# Altium PCB PCB1_backup.PcbDoc
Units mil, origin at the board's own origin, x right, y up, seen from the top; angles counter-clockwise.
Board outline 6000 x 4000 mil, 4 copper layers (Top Layer, Layer 1, Layer 2, Bottom Layer), stack 62.449 mil thick; 133 components, 91 nets, 461 pads, 39 vias.
Unrouted connection lines stored in the file: 239.
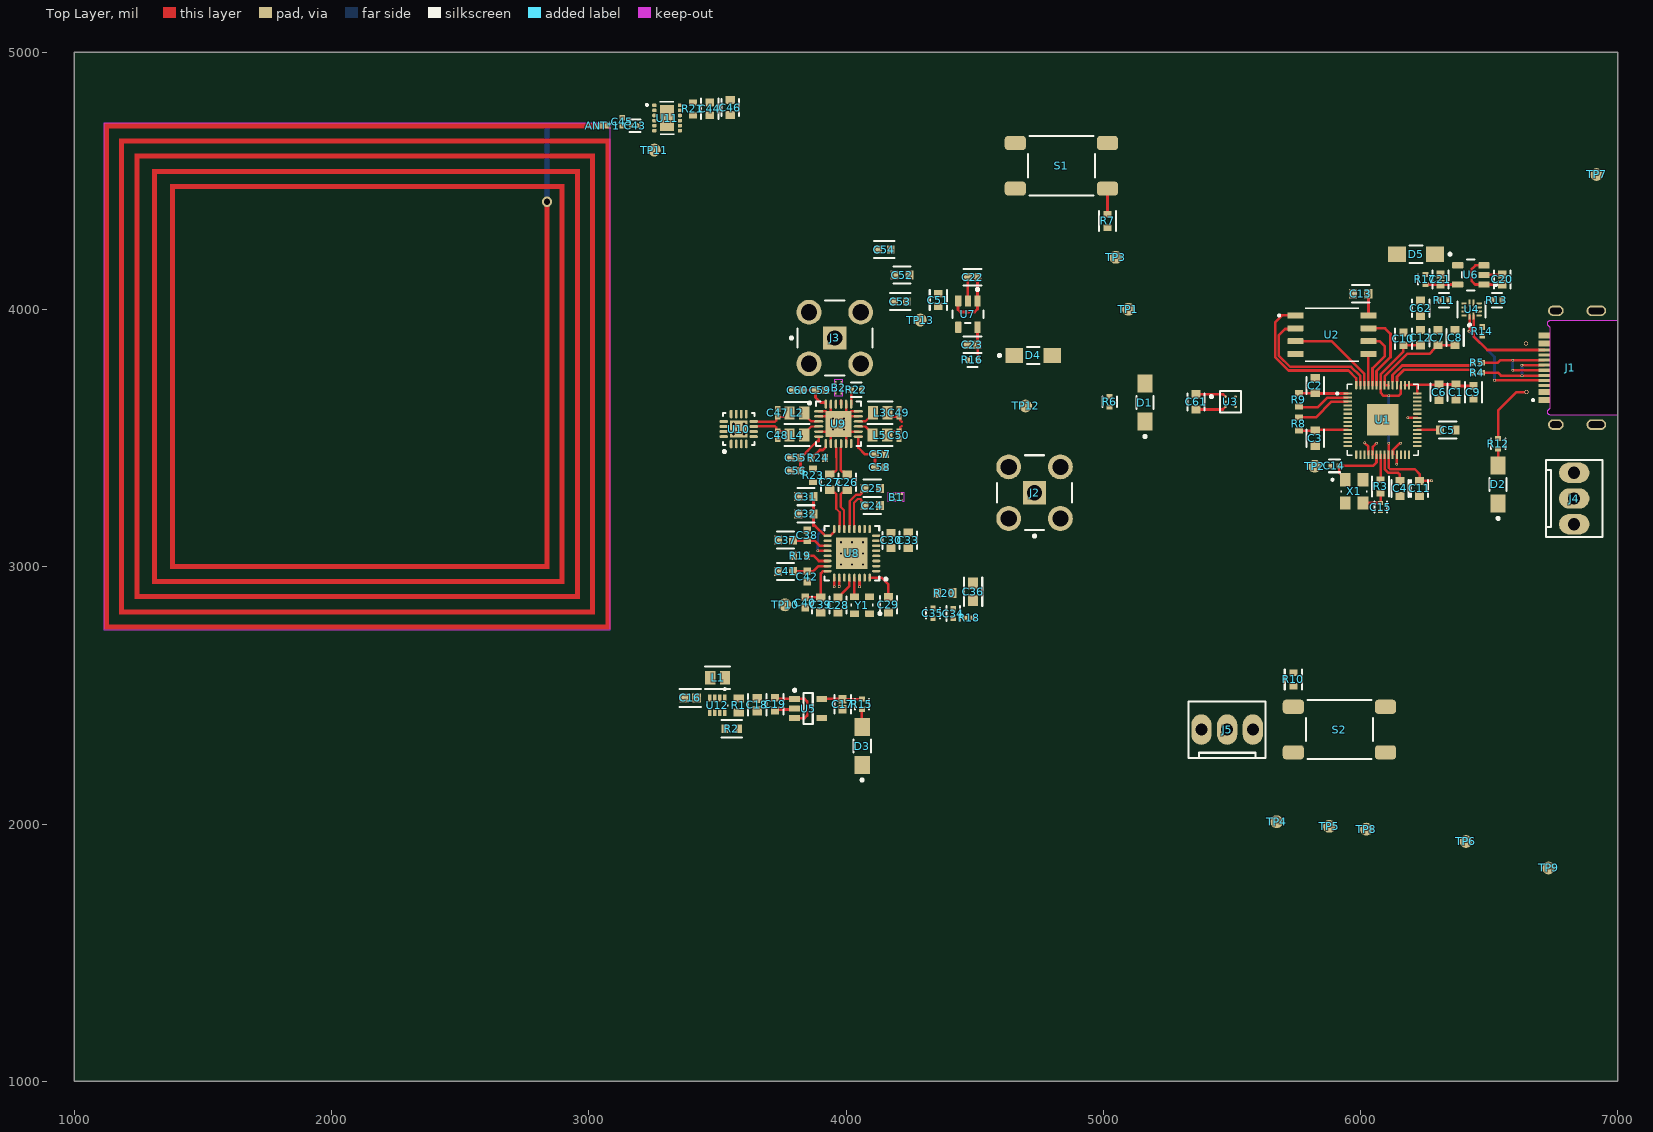
[diagram p0: Top Layer view]
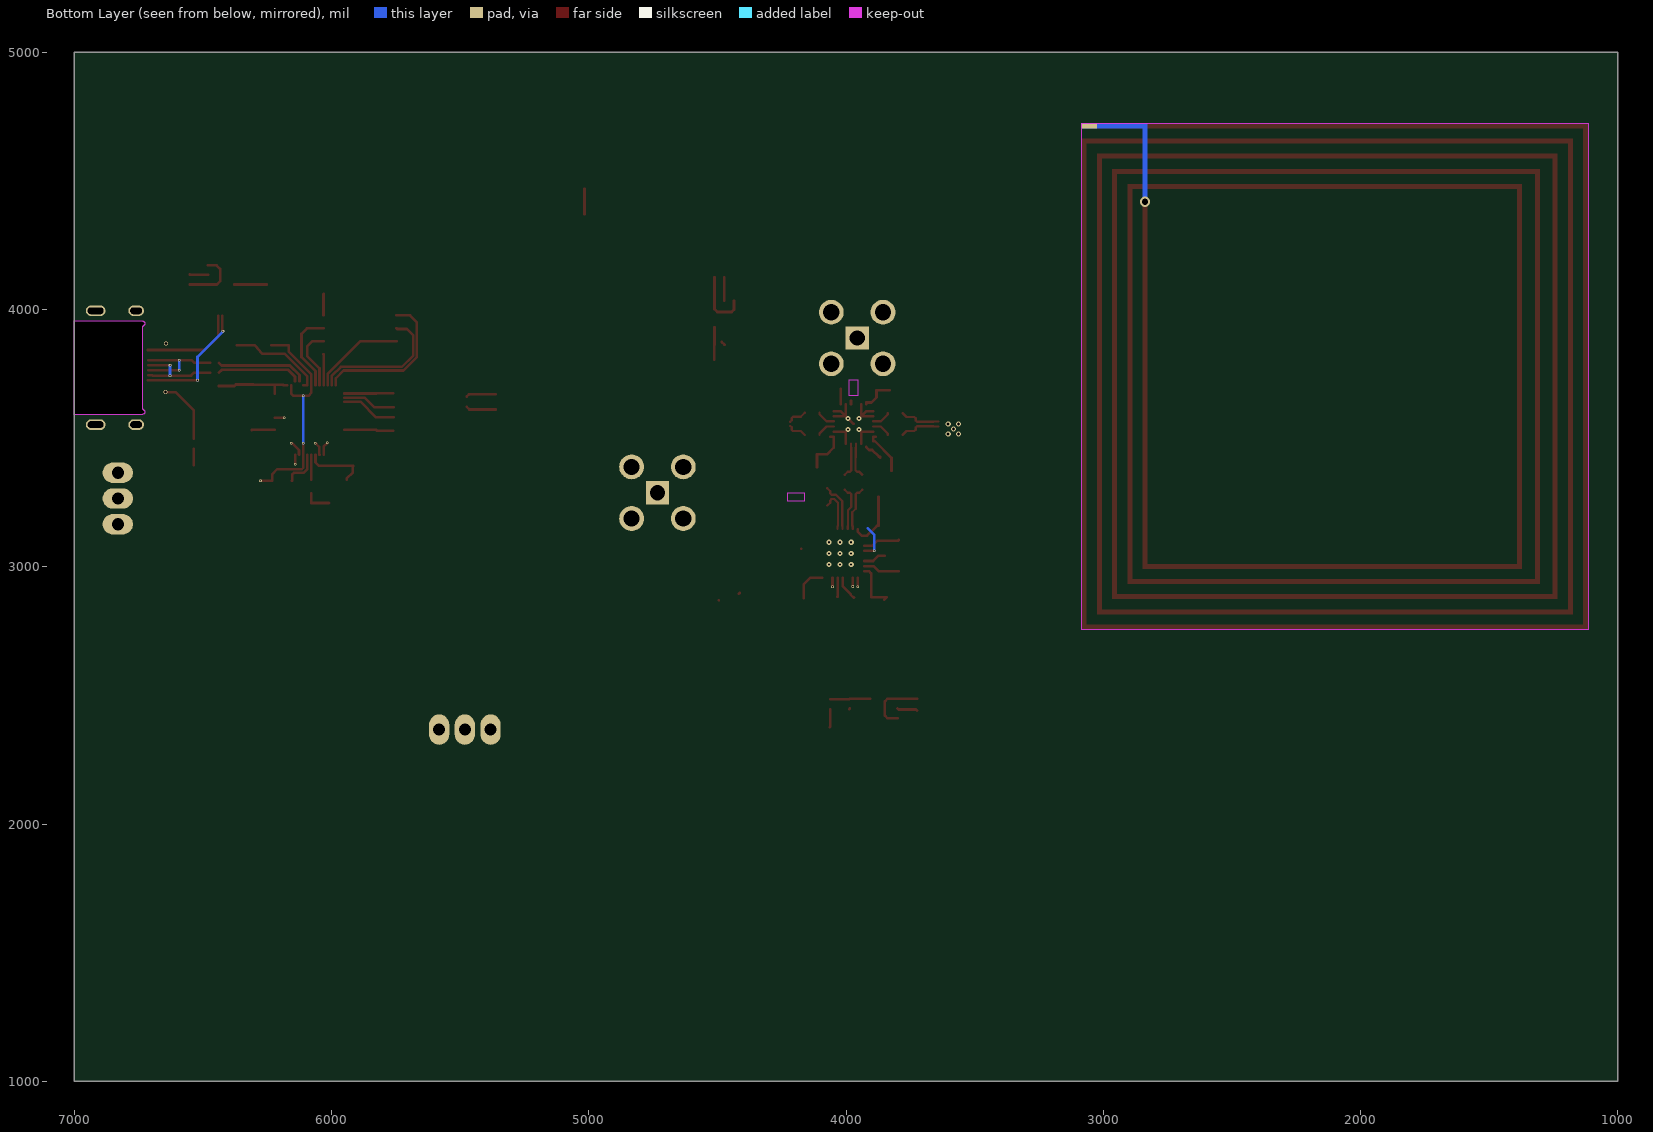
[diagram p1: Bottom Layer view, seen from below]
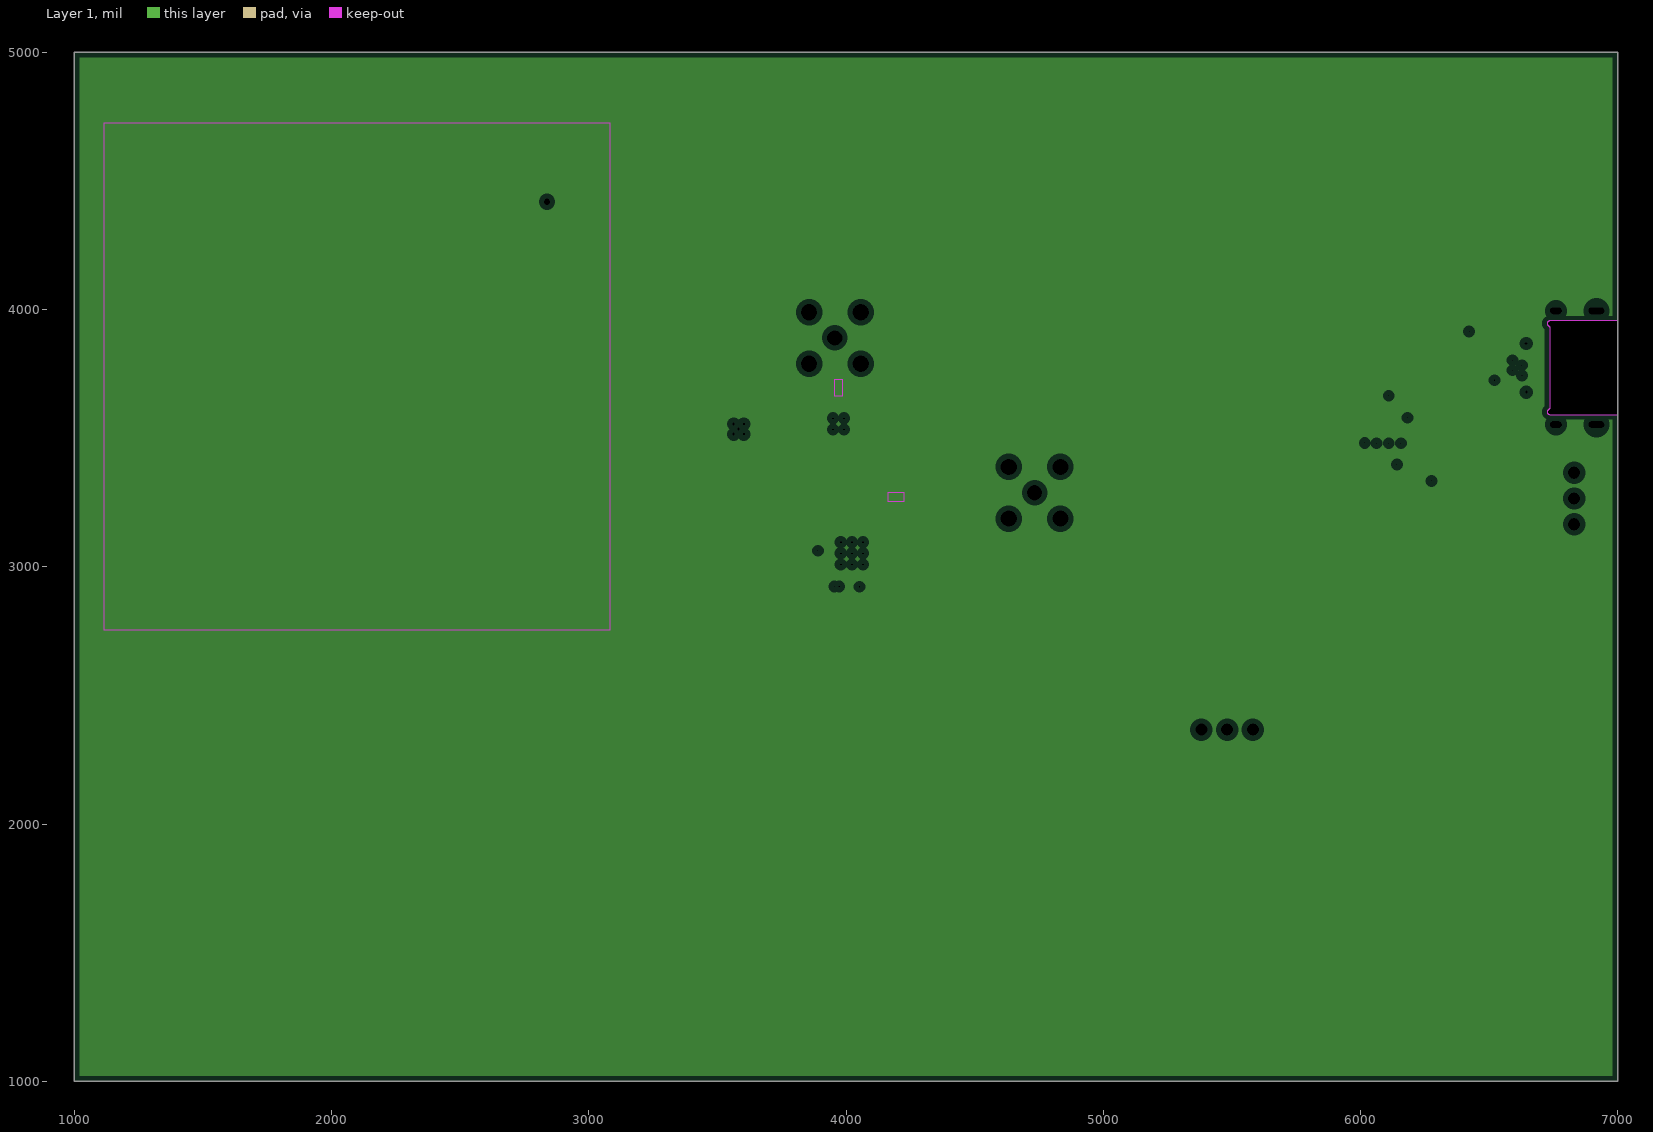
[diagram p2: Layer 1, clearances drawn from the general rule]
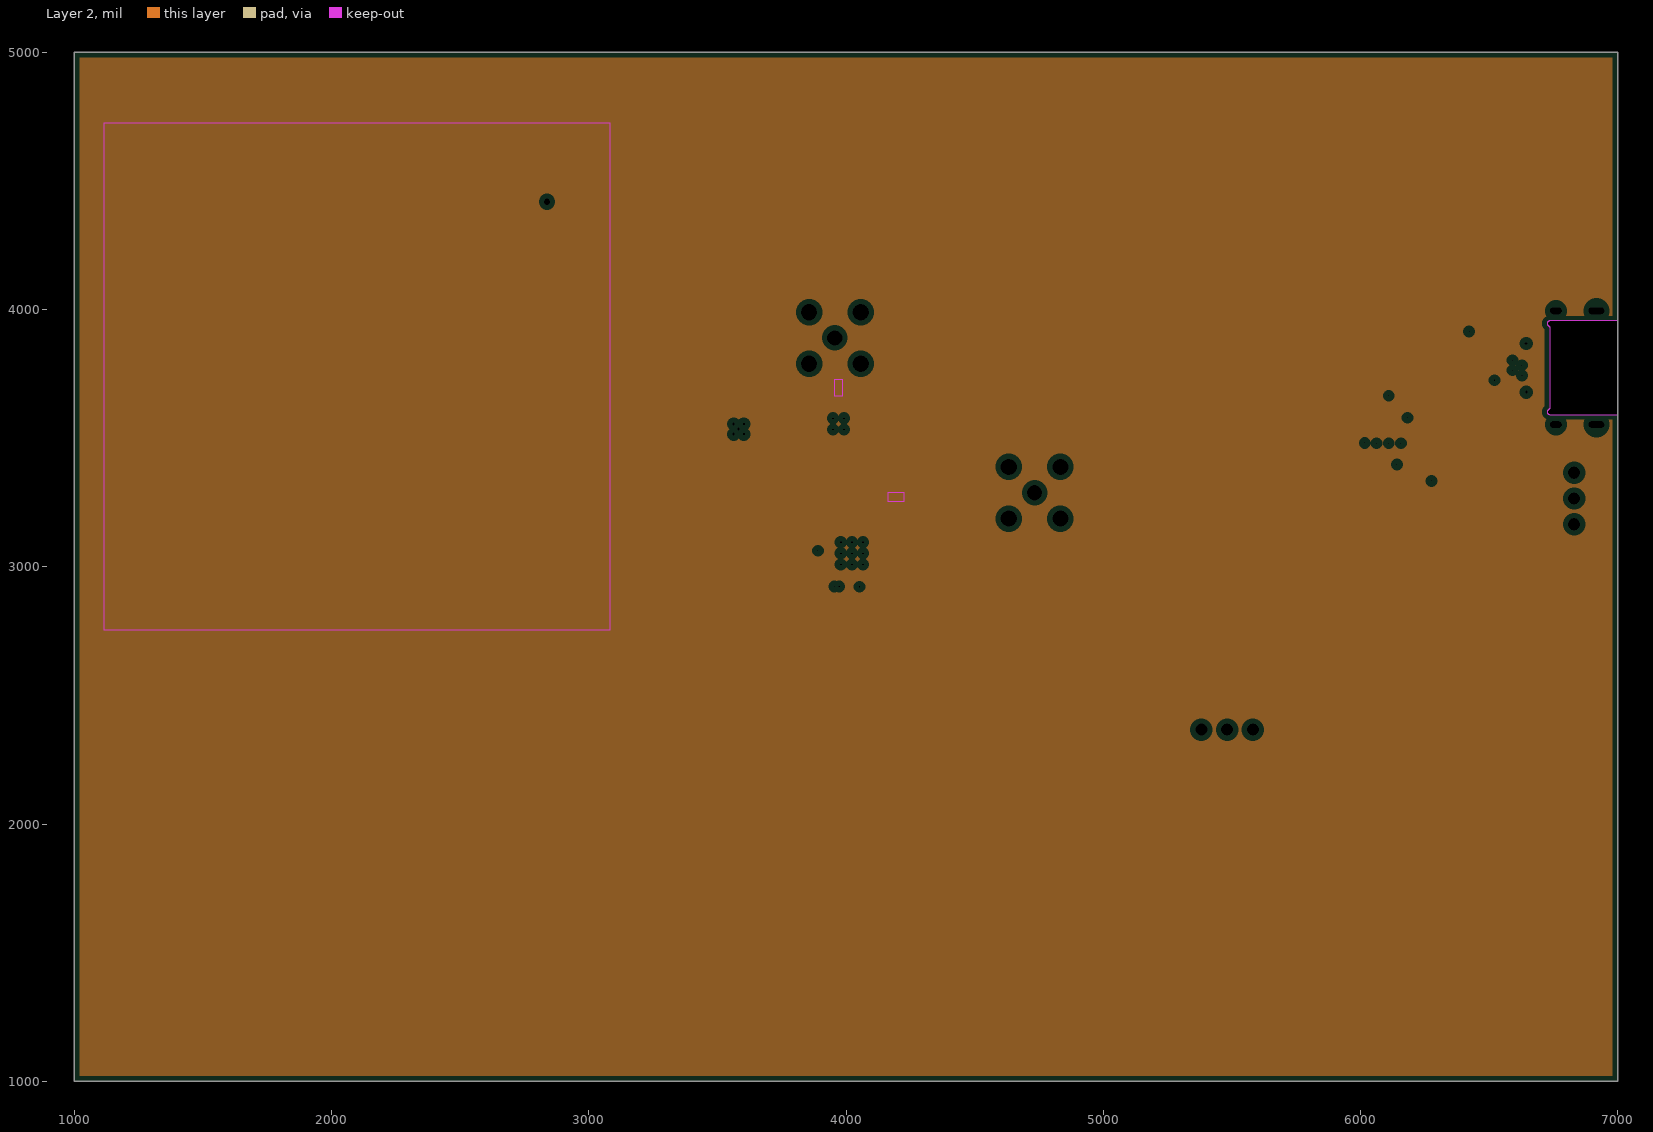
[diagram p3: Layer 2, clearances drawn from the general rule]

## Layer stack, top to bottom
Top Solder: solder mask 0.4, Solder Resist, Dk 3.5
Top Layer: signal copper 1.378
Dielectric 2: prepreg 8.2835, PP-006, Dk 4.4
Layer 1: plane copper 0.5984
Dielectric 1: core 41.9291, FR-4, Dk 4.6
Layer 2: plane copper 0.5984
Dielectric 3: prepreg 8.2835, PP-006, Dk 4.4
Bottom Layer: signal copper 1.378
Bottom Solder: solder mask 0.4, Solder Resist, Dk 3.5

## Board outline
1000,1000 7000,1000 7000,5000 1000,5000

## Design rules (kind name [scope] priority, off if disabled: settings)
Clearance [All] p1: gap=4 ignorepadtopadclearanceinfootprint=FALSE except(5: Arc-Via Track-Via SMDPad-Via THPad-Via Via-Via Via-Fill Via-Poly Via-Region Via-Text; 9.84: Arc-Hole Track-Hole SMDPad-Hole THPad-Hole Via-Hole Fill-Hole Poly-Hole Region-Hole Text-Hole)
DiffPairsRouting [All] p1: maxlimit=10 minlimit=5 mostfreqgap=8 toplayer_minwidth=6.5 toplayer_maxwidth=50 toplayer_prefwidth=10 bottomlayer_minwidth=6.5 bottomlayer_maxwidth=50 bottomlayer_prefwidth=10 maxuncoupledlength=500
PlaneClearance [All] p1: clearance=20
PlaneConnect [All] p1: planeconnectstyle=Relief reliefexpansion=20 reliefentries=4 reliefconductorwidth=10 reliefairgap=10
PolygonConnect [All] p1: connectstyle=Relief reliefconductorwidth=10 reliefentries=4 polygonreliefangle="90 Angle" airgapwidth=10
RoutingVias [All] p1: holewidth=6 width=10 viastyle="Through Hole" minholewidth=6 minwidth=10 maxholewidth=28 maxwidth=50
SolderMaskExpansion [All] p1: expansion=4 istentingtop=FALSE
SupplyNets "Schematic Supply Nets_3" [InNet('+3V3A')] p1: voltage=0.000
SupplyNets "Schematic Supply Nets_2" [InNet('+5')] p2: voltage=0.000
SupplyNets "Schematic Supply Nets_1" [InNet('+3V3')] p3: voltage=0.000
SupplyNets "Schematic Supply Nets" [InNet('GND')] p4: voltage=0.000
Width [All] p1: maxlimit=50 minlimit=10 preferedwidth=10 minimp=50.000000 maximp=50.000000 favimp=50.000000
27 further rules are at their usual default settings.

## Classes and differential pairs
component class top: J1 J2 J3
component class Designator: ANT*1 C43 C44 C45 C46 R21 TP11 U11
differential pair USB: +USB_P -USB_N
differential pair rfoutB: +rfoutB_P -rfoutB_N
differential pair rfoutA: +rfoutA_P -rfoutA_N
differential pair rf_ref: +rf_ref_P -rf_ref_N
differential pair res_out: +res_out_P -res_out_N
differential pair Q: +Q_P -Q_N
differential pair Q_O: +Q_O_P -Q_O_N
differential pair I: +I_P -I_N
differential pair I_O: +I_O_P -I_O_N

## Components (designator, comment, footprint, x,y, rotation, side; value= is the part's Value field where it differs from the comment)
ANT*1 "nfc_antenna" nfc_antenna 2070,3740 r180 top
B1 "LDB182G8AAAEA050" Balum 4194.69,3271.2 r270 top
B2 "LDB182G8AAAEA050" Balum 3971,3696 r0 top
C1 "CC0603KRX7R7BB104" FP-CC0603-DA-MFG 6372,3679 r270 top value="100 nF"
C2 "CC0603KRX7R7BB104" FP-CC0603-DA-MFG 5824,3704.53 r90 top value="100 nF"
C3 "CC0603KRX7R7BB104" FP-CC0603-DA-MFG 5824,3500 r270 top value="100 nF"
C4 "CC0603KRX7R7BB104" FP-CC0603-DA-MFG 6154.19,3304.3 r270 top value="100 nF"
C5 "CC0603KRX7R7BB104" FP-CC0603-DA-MFG 6339.23,3531.66 r0 top value="100 nF"
C6 "CC0603KRX7R7BB104" FP-CC0603-DA-MFG 6305.38,3678.71 r270 top value="100 nF"
C7 "CC0603KRX7R7BB104" FP-CC0603-DA-MFG 6301,3891 r90 top value="100 nF"
C8 "CC0603KRX7R7BB104" FP-CC0603-DA-MFG 6368,3891 r90 top value="100 nF"
C9 "CL10B105KP8NNNC" FP-CL10-IPC_C 6439,3678 r270 top
C10 "CL10B105KP8NNNC" FP-CL10-IPC_C 6167,3886 r90 top
C11 "CC0603KRX7R7BB104" FP-CC0603-DA-MFG 6229.98,3304.3 r270 top value="100 nF"
C12 "CC0603KRX7R7BB104" FP-CC0603-DA-MFG 6234,3890.53 r90 top value="100 nF"
C13 "CC0603KRX7R7BB104" FP-CC0603-DA-MFG 6000.65,4061.19 r180 top value="100 nF"
C14 "GJM1555C1H150GB01D" FP-GJM155-0_05-MFG 5899,3392 r180 top
C15 "GJM1555C1H150GB01D" FP-GJM155-0_05-MFG 6078.32,3232.05 r270 top
C16 "GRM188R61A226ME15D" FP-GRM188-0_2-IPC_C 3395,2490 r180 top
C17 "GRM155R61A106ME11D" FP-GRM155-0_2-IPC_A 3987,2466 r270 top
C18 "GRM188R61A226ME15D" FP-GRM188-0_2-IPC_C 3655,2464 r270 top
C19 "CL10B105KP8NNNC" FP-CL10-IPC_C 3724,2466 r270 top
C20 "GRM155R61A106ME11D" FP-GRM155-0_2-IPC_A 6551,4117 r90 top
C21 "GRM155R61A106ME11D" FP-GRM155-0_2-IPC_A 6311,4117 r90 top
C22 "GRM155R61A106ME11D" FP-GRM155-0_2-IPC_A 4491.95,4125.3 r180 top
C23 "GRM155R61A106ME11D" FP-GRM155-0_2-IPC_A 4491.45,3863.3 r180 top
C24 "CC0603KRX7R7BB104" FP-CC0603-DA-MFG 4102,3238 r0 top value="100 nF"
C25 "CC0603KRX7R7BB104" FP-CC0603-DA-MFG 4102,3305 r0 top value="100 nF"
C26 "CC0603KRX7R7BB104" FP-CC0603-DA-MFG 4005,3328.59 r90 top value="100 nF"
C27 "CC0603KRX7R7BB104" FP-CC0603-DA-MFG 3937,3329 r90 top value="100 nF"
C28 "CC0603KRX7R7BB104" FP-CC0603-DA-MFG 3969,2851 r270 top value="100 nF"
C29 "CC0603KRX7R7BB104" FP-CC0603-DA-MFG 4165,2852 r270 top value="100 nF"
C30 "CC0603KRX7R7BB104" FP-CC0603-DA-MFG 4175,3102.47 r90 top value="100 nF"
C31 "CC0603KRX7R7BB104" FP-CC0603-DA-MFG 3844,3272.59 r180 top value="100 nF"
C32 "CC0603KRX7R7BB104" FP-CC0603-DA-MFG 3844,3205.59 r180 top value="100 nF"
C33 "CC0603KRX7R7BB104" FP-CC0603-DA-MFG 4242,3103 r270 top value="100 nF"
C34 "GCM155R71C393KA37D" FP-GCM155-0_05-IPC_B 4417,2818 r90 top
C35 "CC0402KPX7R9BB272" FP-CC0402-MFG 4338,2819 r90 top value="2.7 nF"
C36 "GCM1885C1H122JA16J" FP-GCM188-0_1-IPC_A 4494,2902.55 r90 top
C37 "CC0603KRX7R7BB104" FP-CC0603-DA-MFG 3765,3104 r180 top value="100 nF"
C38 "CC0402JRNPO9BN100" CAPC1005X55X25ML05T05 3849,3122 r270 top
C39 "CC0603KRX7R7BB104" FP-CC0603-DA-MFG 3902,2851.47 r270 top value="100 nF"
C40 "CC0402JRNPO9BN100" CAPC1005X55X25ML05T05 3842,2861 r90 top
C41 "CC0603KRX7R7BB104" FP-CC0603-DA-MFG 3765,2982 r180 top value="100 nF"
C42 "CC0402JRNPO9BN100" CAPC1005X55X25ML05T05 3849,2962 r90 top
C43 "GJM1555C1H150GB01D" FP-GJM155-0_05-MFG 3180,4715 r180 top
C44 "CL10B105KP8NNNC" FP-CL10-IPC_C 3470,4780 r90 top
C45 "GRM1555C1H220JA01J" CAPC1005X55X25LL05T10 3130,4730 r90 top
C46 "CC0603KRX7R7BB104" FP-CC0603-DA-MFG 3550,4785 r90 top value="100 nF"
C47 "GRM1555C1H270JA01D" CAPC1005X55X25LL05T10 3735,3598 r270 top
C48 "GRM1555C1H270JA01D" CAPC1005X55X25LL05T10 3735,3512 r90 top
C49 "GRM1555C1H270JA01D" CAPC1005X55X25LL05T10 4206,3599 r270 top
C50 "GRM1555C1H270JA01D" CAPC1005X55X25LL05T10 4206,3512 r90 top
C51 "CL10B105KP8NNNC" FP-CL10-IPC_C 4359,4037 r270 top
C52 "CC0603KRX7R7BB104" FP-CC0603-DA-MFG 4218,4134 r0 top value="100 nF"
C53 "CL10B105KP8NNNC" FP-CL10-IPC_C 4211,4031 r180 top
C54 "CL10B105KP8NNNC" FP-CL10-IPC_C 4149,4233 r0 top
C55 "GRM155R71H102KA01D" CAPC1005X55X25ML5T10 3803.71,3423.59 r0 top
C56 "GRM1555C1H101JA01D" CAPC1005X55X25ML05T10 3803.71,3373.59 r0 top
C57 "GRM155R71H102KA01D" CAPC1005X55X25ML5T10 4132.29,3437 r180 top
C58 "GRM1555C1H101JA01D" CAPC1005X55X25ML05T10 4132,3387 r180 top
C59 "GRM155R71H102KA01D" CAPC1005X55X25ML5T10 3900.71,3686 r180 top
C60 "GRM1555C1H101JA01D" CAPC1005X55X25ML05T10 3811.71,3686 r0 top
C61 "CC0603KRX7R7BB104" FP-CC0603-DA-MFG 5361,3641 r270 top value="100 nF"
C62 "CC0603KRX7R7BB104" FP-CC0603-DA-MFG 6234,4005 r270 top value="100 nF"
D1 "CMD15-21VRD/TR8" FP-CMD15-21-MFG 5162,3638.32 r90 top
D2 "CMD15-21VRD/TR8" FP-CMD15-21-MFG 6535,3320 r90 top
D3 "CMD15-21VRD/TR8" FP-CMD15-21-MFG 4063,2303 r90 top
D4 "CMD15-21VRD/TR8" FP-CMD15-21-MFG 4728.3,3821.7 r0 top
D5 "CMD15-21VRD/TR8" FP-CMD15-21-MFG 6216,4215 r180 top
J1 "GSB1C4621DS1HR" AMPHENOL_GSB1C4621DS1HR 6917,3773.74 r90 top
J2 "RF2-04A-T-00-50-G" FP-RF2-04A-T-00-50-G-MFG 4733,3288 r90 top
J3 "RF2-04A-T-00-50-G" FP-RF2-04A-T-00-50-G-MFG 3956.61,3889.39 r0 top
J4 "0022272031" "MOLEX KK 0022272031" 6830.71,3265.35 r270 top
J5 "0022272031" "MOLEX KK 0022272031" 5481.67,2367.02 r0 top
L1 "LQM21PN1R0NGRD" FP-LQM21PH_G0-IPC_C 3501,2569 r0 top
L2 "LQM21PN1R0NGRD" FP-LQM21PH_G0-IPC_C 3809,3598 r180 top
L3 "LQM21PN1R0NGRD" FP-LQM21PH_G0-IPC_C 4133,3599 r0 top
L4 "LQM21PN1R0NGRD" FP-LQM21PH_G0-IPC_C 3809,3512 r180 top
L5 "LQM21PN1R0NGRD" FP-LQM21PH_G0-IPC_C 4132,3512 r0 top
R1 "RK73H1JTTD91R0F" RESC1608X55X30NL20T10 3583,2461 r90 top
R2 "RC0603FR-071KL" FP-RC0603-0_55-IPC_C 3556,2370 r180 top
R3 "RC0603FR-071KL" FP-RC0603-0_55-IPC_C 6078.32,3312.05 r90 top
R4 "RC0402JR-0727RL" RESC1005X40X25NL05T10 6454.72,3754.92 r0 top
R5 "RC0402JR-0727RL" RESC1005X40X25NL05T10 6454.72,3792.32 r0 top
R6 "RT0402BRD07200RL" FP-RT0402-MFG 5025,3641.32 r90 top value=200Ω
R7 "RC0603FR-071KL" FP-RC0603-0_55-IPC_C 5016.6,4344.17 r90 top
R8 "RC0603FR-074K7L" RESC1608X55X25LL10T15 5761,3555 r270 top
R9 "RC0603FR-074K7L" RESC1608X55X25LL10T15 5761,3649 r90 top
R10 "RC0603FR-071KL" FP-RC0603-0_55-IPC_C 5739.15,2561.91 r90 top
R11 "RT0402BRD07200KL" FP-RT0402-MFG 6325,4036 r180 top value=200KΩ
R12 "RT0402BRD07200RL" FP-RT0402-MFG 6535,3478.32 r90 top value=200Ω
R13 "RT0402BRD07200KL" FP-RT0402-MFG 6530.69,4036 r0 top value=200KΩ
R14 "RC0402FR-07910KL" RESC1005X40X25NL05T10 6473,3915 r90 top value=900k
R15 "RT0402BRD07200RL" FP-RT0402-MFG 4062,2465.68 r90 top value=200Ω
R16 "RT0402BRD07200RL" FP-RT0402-MFG 4491.7,3804.3 r0 top value=200Ω
R17 "RT0402BRD07200RL" FP-RT0402-MFG 6252,4117 r270 top value=200Ω
R18 "RC0402JR-07680RL" RESC1005X40X25LL05T10 4479.76,2801 r0 top
R19 "RC0603FR-074K7L" RESC1608X55X25LL10T15 3823,3043 r0 top
R20 "RC0603JR-07360RL" RESC1608X55X25ML10T15 4384,2898 r0 top
R21 "RC0603FR-074K7L" RESC1608X55X25LL10T15 3405,4780 r270 top
R22 "RT0402BRD07200RL" FP-RT0402-MFG 4040,3688 r0 top value=200Ω
R23 "RC0603FR-074K7L" RESC1608X55X25LL10T15 3872,3355.59 r270 top
R24 "RC0603FR-074K7L" RESC1608X55X25LL10T15 3892,3423.59 r180 top
S1 "FSM4JSMA" "TE FSM4JSMA" 4837.46,4558.73 r90 top
S2 "FSM4JSMA" "TE FSM4JSMA" 5918.28,2367.02 r270 top
TP1 "Test Point" test_point 5098,4001 r0 top
TP2 "Test Point" test_point 5822,3391 r0 top
TP3 "Test Point" test_point 5049,4203 r0 top
TP4 "Test Point" test_point 5674,2009 r0 top
TP5 "Test Point" test_point 5879,1991 r0 top
TP6 "Test Point" test_point 6410,1932 r0 top
TP7 "Test Point" test_point 6918,4525 r0 top
TP8 "Test Point" test_point 6023,1980 r0 top
TP9 "Test Point" test_point 6731,1829 r0 top
TP10 "Test Point" test_point 3763,2852 r270 top
TP11 "Test Point" test_point 3255,4620 r270 top
TP12 "Test Point" test_point 4698,3625 r0 top
TP13 "Test Point" test_point 4289,3959 r270 top
U1 "rp2040" QFN40P700X700X90-57N 6086,3571.23 r0 top
U2 "W25Q128JVSIQ" SOIC127P790X216-8N 5889.23,3901.94 r0 top
U3 "HDC2010YPAR" FP-YPA0006-MFG 5494.69,3641.68 r0 top
U4 "TUSB320LAIRWBR" FP-RWB0012A-MFG 6432.13,4000.59 r90 top
U5 "AP7375-50W5-7" "DIODES SOT25" 3853,2449 r0 top
U6 "TLV73333PDBVR" FP-DBV0005A-MFG 6429.18,4134.6 r180 top
U7 "TLV73333PDBVR" FP-DBV0005A-MFG 4473.7,3982.3 r270 top
U8 "ADF4351BCPZ-RL7" ADI-CP-32-2_L 4023,3052 r180 top
U9 "ADL5380ACPZ-R7" ADI-CP-24-3_N 3970.84,3555.23 r0 top
U10 "ADS7945SRTER" TI-RTE16-1700X1700TP_V 3582.93,3535.47 r90 top
U11 "ST25DV64KC-JF6D3" PSON50P300X300X60-13N 3304.61,4744.53 r0 top
U12 "TPS631000DRLR" SOT50P160X60-8N 3499.53,2461.06 r270 top
X1 "ABM8-272-T3" XTAL_ABM8-272-T3 5975.37,3293.04 r0 top
Y1 "LMK6CE02500DDLFT" DLF0004A_MFG 4062.47,2850.52 r180 top

## Footprints (in the part's own frame and the unit in brackets; to place one, negate y for a bottom-side part, rotate by r counter-clockwise, add the part's x,y. Pads: shape width x height; smd on the part's side, far side on the other; paste and mask are expansions set on the pad)
ADI-CP-24-3_N [mm] "QFN, 24-Leads, Body 4x4mm, Pitch 0.5mm, Thermal Pad 2.5x2.5mm, IPC Medium Density"
  oval 0.9x0.25 smd: 1(-1.95,1.25) 2(-1.95,0.75) 3(-1.95,0.25) 4(-1.95,-0.25) 5(-1.95,-0.75) 6(-1.95,-1.25) 13(1.95,-1.25) 14(1.95,-0.75) 15(1.95,-0.25) 16(1.95,0.25) 17(1.95,0.75) 18(1.95,1.25)
  oval 0.25x0.9 smd: 7(-1.25,-1.95) 8(-0.75,-1.95) 9(-0.25,-1.95) 10(0.25,-1.95) 11(0.75,-1.95) 12(1.25,-1.95) 19(1.25,1.95) 20(0.75,1.95) 21(0.25,1.95) 22(-0.25,1.95) 23(-0.75,1.95) 24(-1.25,1.95)
  rect 2.6x2.6 smd: 25(0,0)
  silkscreen extent -2.97,-2.2 2.2,2.2, body extent -2.05,-2.05 2.05,2.05, height 1
ADI-CP-32-2_L [mm] "QFN, 32-Leads, Body 5x5mm, Pitch 0.5mm, Thermal Pad 3.1x3.1mm, IPC High Density"
  oval 0.8x0.25 smd: 1(-2.4,1.75) 2(-2.4,1.25) 3(-2.4,0.75) 4(-2.4,0.25) 5(-2.4,-0.25) 6(-2.4,-0.75) 7(-2.4,-1.25) 8(-2.4,-1.75) 17(2.4,-1.75) 18(2.4,-1.25) 19(2.4,-0.75) 20(2.4,-0.25) 21(2.4,0.25) 22(2.4,0.75) 23(2.4,1.25) 24(2.4,1.75)
  oval 0.25x0.8 smd: 9(-1.75,-2.4) 10(-1.25,-2.4) 11(-0.75,-2.4) 12(-0.25,-2.4) 13(0.25,-2.4) 14(0.75,-2.4) 15(1.25,-2.4) 16(1.75,-2.4) 25(1.75,2.4) 26(1.25,2.4) 27(0.75,2.4) 28(0.25,2.4) 29(-0.25,2.4) 30(-0.75,2.4) 31(-1.25,2.4) 32(-1.75,2.4)
  rect 3.1x3.1 smd: 33(0,0)
  silkscreen extent -3.48,-2.7 2.7,2.7, body extent -2.55,-2.55 2.55,2.55, height 1
AMPHENOL_GSB1C4621DS1HR [mm]
  rect 0.6x1.1 smd mask+0.05: A1_B12(-3.2,5.15) A4_B9(-2.4,5.15) B1_A12(3.2,5.15) B4_A9(2.4,5.15)
  rect 0.3x1.1 smd mask+0.05: A5(-1.25,5.15) A6(-0.25,5.15) A7(0.25,5.15) A8(1.25,5.15) B5(1.75,5.15) B6(0.75,5.15) B7(-0.75,5.15) B8(-1.75,5.15)
  oval 1.05x1.55 hole 0.65 slot 1.15 at 90 deg: SH1(-5.62,4) SH2(5.62,4)
  oval 1.05x1.95 hole 0.65 slot 1.55 at 90 deg: SH3(-5.62,0) SH4(5.62,0)
  Keep-Out Layer board cut-out: -4.619,4.622 -4.62,4.6 -4.62,-2.1 4.62,-2.1 4.62,4.6 4.619,4.622 4.616,4.643 4.611,4.665 4.605,4.686 4.597,4.706 4.587,4.725 4.575,4.743 4.562,4.761 4.547,4.777 4.531,4.792 4.513,4.805 4.495,4.817 4.476,4.827 4.456,4.835 4.435,4.841 4.413,4.846 4.392,4.849 4.37,4.85 4.348,4.849 4.327,4.846 4.305,4.841 4.284,4.835 4.264,4.827 4.245,4.817 4.227,4.805 4.209,4.792 4.193,4.777 4.178,4.761 4.165,4.743 4.154,4.725 4.149,4.718 4.144,4.71 4.139,4.703 4.134,4.696 4.129,4.689 4.123,4.683 4.117,4.676 4.111,4.67 4.104,4.664 4.098,4.658 4.091,4.653 4.084,4.648 4.077,4.643 4.069,4.638 4.062,4.633 4.054,4.629 4.047,4.625 4.039,4.622 4.031,4.618 4.022,4.615 4.014,4.612 4.006,4.61 3.997,4.607 3.989,4.605 3.98,4.604 3.972,4.602 3.963,4.601 3.954,4.601 3.946,4.6 3.937,4.6 -3.937,4.6 -3.946,4.6 -3.954,4.601 -3.963,4.601 -3.972,4.602 -3.98,4.604 -3.989,4.605 -3.997,4.607 -4.006,4.61 -4.014,4.612 -4.022,4.615 -4.031,4.618 -4.039,4.622 -4.047,4.625 -4.054,4.629 -4.062,4.633 -4.069,4.638 -4.077,4.643 -4.084,4.648 -4.091,4.653 -4.098,4.658 -4.104,4.664 -4.111,4.67 -4.117,4.676 -4.123,4.683 -4.129,4.689 -4.134,4.696 -4.139,4.703 -4.144,4.71 -4.149,4.718 -4.154,4.725 -4.165,4.743 -4.178,4.761 -4.193,4.777 -4.209,4.792 -4.227,4.805 -4.245,4.817 -4.264,4.827 -4.284,4.835 -4.305,4.841 -4.327,4.846 -4.348,4.849 -4.37,4.85 -4.392,4.849 -4.413,4.846 -4.435,4.841 -4.456,4.835 -4.476,4.827 -4.495,4.817 -4.513,4.805 -4.531,4.792 -4.547,4.777 -4.562,4.761 -4.575,4.743 -4.587,4.725 -4.597,4.706 -4.605,4.686 -4.611,4.665 -4.616,4.643
  silkscreen extent -3.3,6.15 -3.1,6.35, body extent -5.77,3.51 5.77,10.71, height 1.58
Balum [mm]
  rect 0.25x0.35 smd mask+0.05: 1(-0.325,0.5) 2(-0.325,0) 3(-0.325,-0.5) 4(0.325,-0.5) 5(0.325,0) 6(0.325,0.5)
  Keep-Out Layer region: -0.4,-0.8 0.4,-0.8 0.4,0.8 -0.4,0.8
CAPC1005X55X25LL05T10 [mm] "Chip Capacitor, 2-Leads, Body 1.00x0.50mm, IPC High Density"
  rect 0.56x0.52 smd: 1(-0.39,0) 2(0.39,0)
  body extent -0.53,-0.28 0.53,0.28, height 0.55
CAPC1005X55X25ML05T05 [mm] "Chip Capacitor, 2-Leads, Body 1.00x0.50mm, IPC Low Density"
  rect 0.72x0.72 smd: 1(-0.51,0) 2(0.51,0)
  body extent -0.53,-0.28 0.53,0.27, height 0.55
CAPC1005X55X25ML5T10 [mm] "Chip Capacitor, 2-Leads, Body 1.05x0.55mm, IPC Low Density"